# Altium PCB Electronic Load 20251111.PcbDoc (part 2 of 6)
Units mm, origin at the board's own origin, x right, y up, seen from the top; angles counter-clockwise.
Board outline 206 x 70 mm, 6 copper layers (L1, L2, L3, L4, L5, L6), stack 1.609 mm thick; 684 components, 355 nets, 1727 pads, 802 vias.
Unrouted connection lines stored in the file: 10.
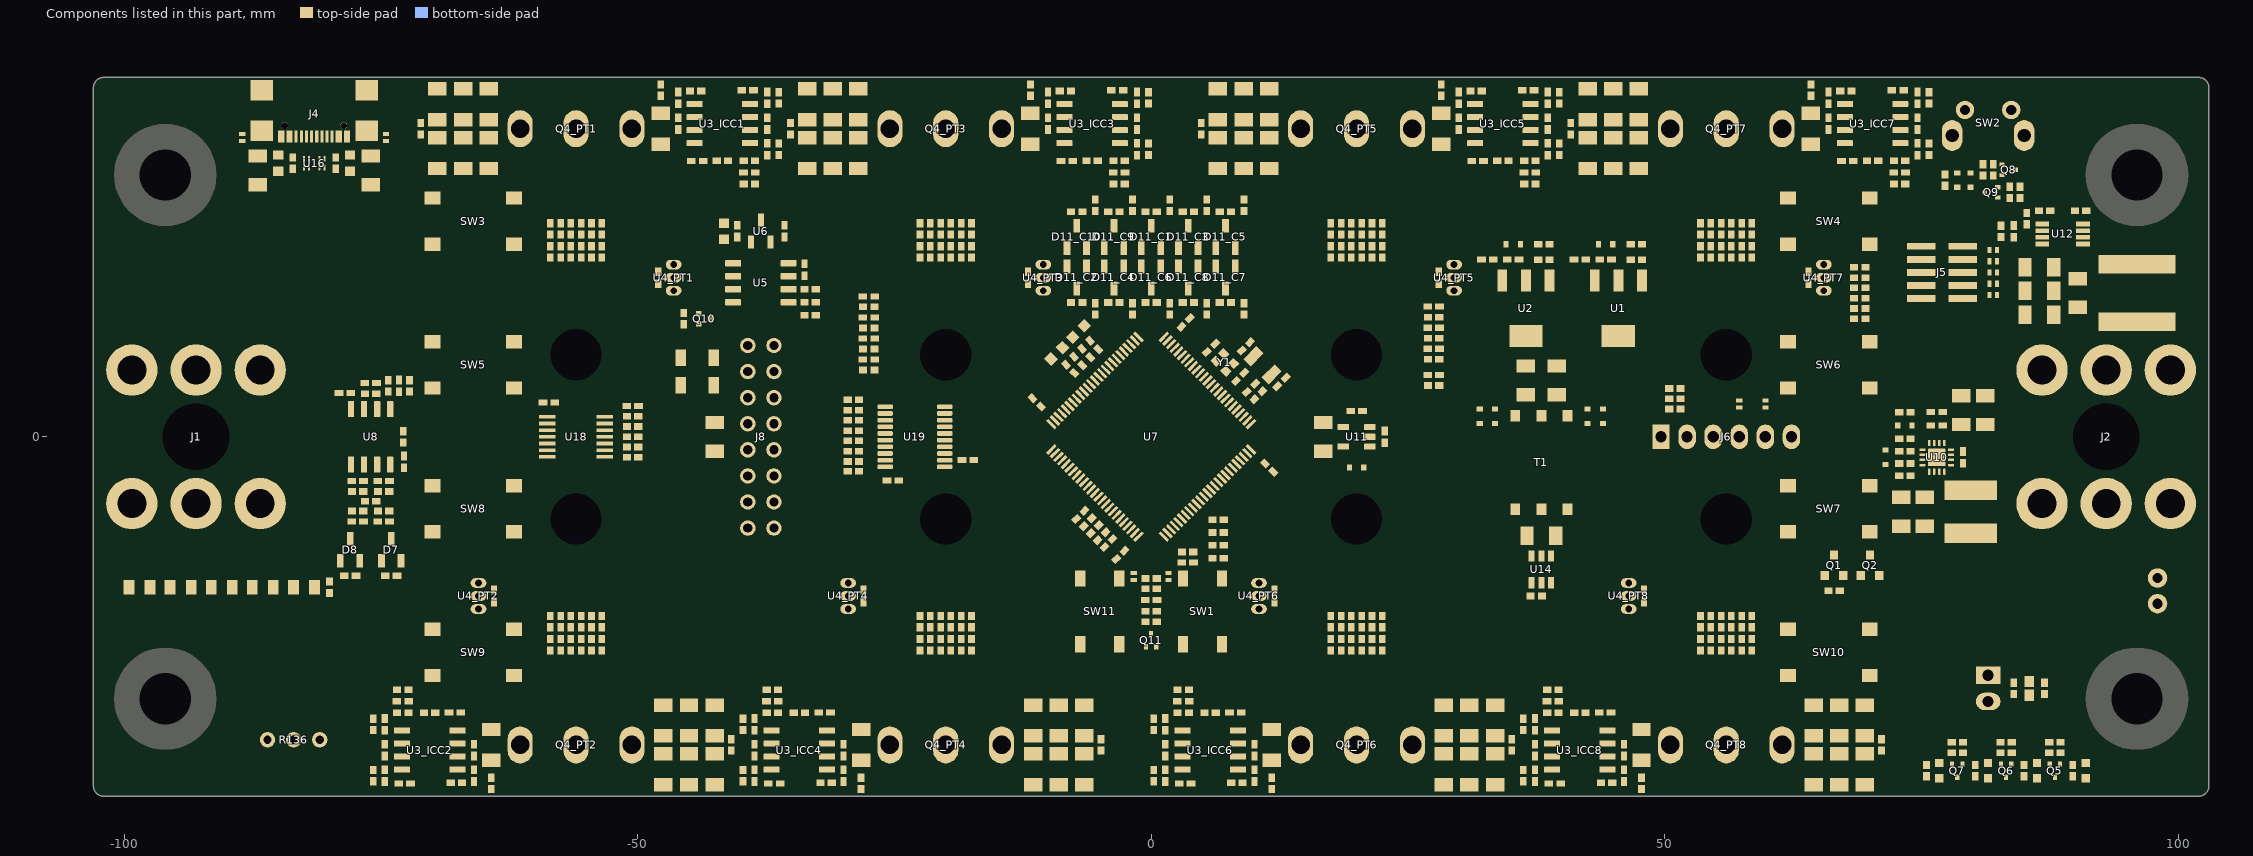
[diagram p6: the components of this part, seen from the top]

## Components (designator, comment, footprint, x,y, rotation, side; value= is the part's Value field where it differs from the comment) (continued)
R27_ICC6 "1k,0.1%,0.063W,0402" RESC1005X04N 21.5,-18 r90 top value=1k (schematic designator R27)
R27_ICC7 "1k,0.1%,0.063W,0402" RESC1005X04N 54.5,18 r270 top value=1k (schematic designator R27)
R27_ICC8 "1k,0.1%,0.063W,0402" RESC1005X04N 57.5,-18 r90 top value=1k (schematic designator R27)
R28_ICC1 "1k,0.1%,0.063W,0402" RESC1005X04N -56.5,20.25 r90 top value=1k (schematic designator R28)
R28_ICC2 "1k,0.1%,0.063W,0402" RESC1005X04N -55.5,-20.25 r270 top value=1k (schematic designator R28)
R28_ICC3 "1k,0.1%,0.063W,0402" RESC1005X04N -20.5,20.25 r90 top value=1k (schematic designator R28)
R28_ICC4 "1k,0.1%,0.063W,0402" RESC1005X04N -19.5,-20.25 r270 top value=1k (schematic designator R28)
R28_ICC5 "1k,0.1%,0.063W,0402" RESC1005X04N 19.5,20.25 r90 top value=1k (schematic designator R28)
R28_ICC6 "1k,0.1%,0.063W,0402" RESC1005X04N 20.5,-20.25 r270 top value=1k (schematic designator R28)
R28_ICC7 "1k,0.1%,0.063W,0402" RESC1005X04N 55.5,20.25 r90 top value=1k (schematic designator R28)
R28_ICC8 "1k,0.1%,0.063W,0402" RESC1005X04N 56.5,-20.25 r270 top value=1k (schematic designator R28)
R29_ICC1 "1k,0.1%,0.063W,0402" RESC1005X04N -56.5,18 r270 top value=1k (schematic designator R29)
R29_ICC2 "1k,0.1%,0.063W,0402" RESC1005X04N -55.5,-18 r90 top value=1k (schematic designator R29)
R29_ICC3 "1k,0.1%,0.063W,0402" RESC1005X04N -20.5,18 r270 top value=1k (schematic designator R29)
R29_ICC4 "1k,0.1%,0.063W,0402" RESC1005X04N -19.5,-18 r90 top value=1k (schematic designator R29)
R29_ICC5 "1k,0.1%,0.063W,0402" RESC1005X04N 19.5,18 r270 top value=1k (schematic designator R29)
R29_ICC6 "1k,0.1%,0.063W,0402" RESC1005X04N 20.5,-18 r90 top value=1k (schematic designator R29)
R29_ICC7 "1k,0.1%,0.063W,0402" RESC1005X04N 55.5,18 r270 top value=1k (schematic designator R29)
R29_ICC8 "1k,0.1%,0.063W,0402" RESC1005X04N 56.5,-18 r90 top value=1k (schematic designator R29)
R30_ICC1 "10k,5%,0.063W,0402" RESC1005X04N -41.75,26.875 r0 top value=10k (schematic designator R30)
R30_ICC2 "10k,5%,0.063W,0402" RESC1005X04N -70.25,-26.875 r180 top value=10k (schematic designator R30)
R30_ICC3 "10k,5%,0.063W,0402" RESC1005X04N -5.75,26.875 r0 top value=10k (schematic designator R30)
R30_ICC4 "10k,5%,0.063W,0402" RESC1005X04N -34.25,-26.875 r180 top value=10k (schematic designator R30)
R30_ICC5 "10k,5%,0.063W,0402" RESC1005X04N 34.25,26.875 r0 top value=10k (schematic designator R30)
R30_ICC6 "10k,5%,0.063W,0402" RESC1005X04N 5.75,-26.875 r180 top value=10k (schematic designator R30)
R30_ICC7 "10k,5%,0.063W,0402" RESC1005X04N 70.25,26.875 r0 top value=10k (schematic designator R30)
R30_ICC8 "10k,5%,0.063W,0402" RESC1005X04N 41.75,-26.875 r180 top value=10k (schematic designator R30)
R31_ICC1 "1k,0.1%,0.063W,0402" RESC1005X04N -54.5,20.25 r90 top value=1k (schematic designator R31)
R31_ICC2 "1k,0.1%,0.063W,0402" RESC1005X04N -57.5,-20.25 r270 top value=1k (schematic designator R31)
R31_ICC3 "1k,0.1%,0.063W,0402" RESC1005X04N -18.5,20.25 r90 top value=1k (schematic designator R31)
R31_ICC4 "1k,0.1%,0.063W,0402" RESC1005X04N -21.5,-20.25 r270 top value=1k (schematic designator R31)
R31_ICC5 "1k,0.1%,0.063W,0402" RESC1005X04N 21.5,20.25 r90 top value=1k (schematic designator R31)
R31_ICC6 "1k,0.1%,0.063W,0402" RESC1005X04N 18.5,-20.25 r270 top value=1k (schematic designator R31)
R31_ICC7 "1k,0.1%,0.063W,0402" RESC1005X04N 57.5,20.25 r90 top value=1k (schematic designator R31)
R31_ICC8 "1k,0.1%,0.063W,0402" RESC1005X04N 54.5,-20.25 r270 top value=1k (schematic designator R31)
R32_ICC1 "1k,0.1%,0.063W,0402" RESC1005X04N -58.5,20.25 r90 top value=1k (schematic designator R32)
R32_ICC2 "1k,0.1%,0.063W,0402" RESC1005X04N -53.5,-20.25 r270 top value=1k (schematic designator R32)
R32_ICC3 "1k,0.1%,0.063W,0402" RESC1005X04N -22.5,20.25 r90 top value=1k (schematic designator R32)
R32_ICC4 "1k,0.1%,0.063W,0402" RESC1005X04N -17.5,-20.25 r270 top value=1k (schematic designator R32)
R32_ICC5 "1k,0.1%,0.063W,0402" RESC1005X04N 17.5,20.25 r90 top value=1k (schematic designator R32)
R32_ICC6 "1k,0.1%,0.063W,0402" RESC1005X04N 22.5,-20.25 r270 top value=1k (schematic designator R32)
R32_ICC7 "1k,0.1%,0.063W,0402" RESC1005X04N 53.5,20.25 r90 top value=1k (schematic designator R32)
R32_ICC8 "1k,0.1%,0.063W,0402" RESC1005X04N 58.5,-20.25 r270 top value=1k (schematic designator R32)
R33_ICC1 "10k,5%,0.063W,0402" RESC1005X04N -44.35,33.675 r180 top value=10k (schematic designator R33)
R33_ICC2 "10k,5%,0.063W,0402" RESC1005X04N -67.65,-33.675 r0 top value=10k (schematic designator R33)
R33_ICC3 "10k,5%,0.063W,0402" RESC1005X04N -8.35,33.675 r180 top value=10k (schematic designator R33)
R33_ICC4 "10k,5%,0.063W,0402" RESC1005X04N -31.65,-33.675 r0 top value=10k (schematic designator R33)
R33_ICC5 "10k,5%,0.063W,0402" RESC1005X04N 31.65,33.675 r180 top value=10k (schematic designator R33)
R33_ICC6 "10k,5%,0.063W,0402" RESC1005X04N 8.35,-33.675 r0 top value=10k (schematic designator R33)
R33_ICC7 "10k,5%,0.063W,0402" RESC1005X04N 67.65,33.675 r180 top value=10k (schematic designator R33)
R33_ICC8 "10k,5%,0.063W,0402" RESC1005X04N 44.35,-33.675 r0 top value=10k (schematic designator R33)
R34_ICC1 "6k81,0.1%,0.063W,0402" RESC1005X04N -36.25,33 r270 top value=6k81 (schematic designator R34)
R34_ICC2 "6k81,0.1%,0.063W,0402" RESC1005X04N -75.75,-33 r90 top value=6k81 (schematic designator R34)
R34_ICC3 "6k81,0.1%,0.063W,0402" RESC1005X04N -0.25,33 r270 top value=6k81 (schematic designator R34)
R34_ICC4 "6k81,0.1%,0.063W,0402" RESC1005X04N -39.75,-33 r90 top value=6k81 (schematic designator R34)
R34_ICC5 "6k81,0.1%,0.063W,0402" RESC1005X04N 39.75,33 r270 top value=6k81 (schematic designator R34)
R34_ICC6 "6k81,0.1%,0.063W,0402" RESC1005X04N 0.25,-33 r90 top value=6k81 (schematic designator R34)
R34_ICC7 "6k81,0.1%,0.063W,0402" RESC1005X04N 75.75,33 r270 top value=6k81 (schematic designator R34)
R34_ICC8 "6k81,0.1%,0.063W,0402" RESC1005X04N 36.25,-33 r90 top value=6k81 (schematic designator R34)
R35_ICC1 "1k,0.1%,0.063W,0402" RESC1005X04N -55.5,18 r270 top value=1k (schematic designator R35)
R35_ICC2 "1k,0.1%,0.063W,0402" RESC1005X04N -56.5,-18 r90 top value=1k (schematic designator R35)
R35_ICC3 "1k,0.1%,0.063W,0402" RESC1005X04N -19.5,18 r270 top value=1k (schematic designator R35)
R35_ICC4 "1k,0.1%,0.063W,0402" RESC1005X04N -20.5,-18 r90 top value=1k (schematic designator R35)
R35_ICC5 "1k,0.1%,0.063W,0402" RESC1005X04N 20.5,18 r270 top value=1k (schematic designator R35)
R35_ICC6 "1k,0.1%,0.063W,0402" RESC1005X04N 19.5,-18 r90 top value=1k (schematic designator R35)
R35_ICC7 "1k,0.1%,0.063W,0402" RESC1005X04N 56.5,18 r270 top value=1k (schematic designator R35)
R35_ICC8 "1k,0.1%,0.063W,0402" RESC1005X04N 55.5,-18 r90 top value=1k (schematic designator R35)
R36_ICC1 "1k,0.1%,0.063W,0402" RESC1005X04N -54.5,18 r270 top value=1k (schematic designator R36)
R36_ICC2 "1k,0.1%,0.063W,0402" RESC1005X04N -57.5,-18 r90 top value=1k (schematic designator R36)
R36_ICC3 "1k,0.1%,0.063W,0402" RESC1005X04N -18.5,18 r270 top value=1k (schematic designator R36)
R36_ICC4 "1k,0.1%,0.063W,0402" RESC1005X04N -21.5,-18 r90 top value=1k (schematic designator R36)
R36_ICC5 "1k,0.1%,0.063W,0402" RESC1005X04N 21.5,18 r270 top value=1k (schematic designator R36)
R36_ICC6 "1k,0.1%,0.063W,0402" RESC1005X04N 18.5,-18 r90 top value=1k (schematic designator R36)
R36_ICC7 "1k,0.1%,0.063W,0402" RESC1005X04N 57.5,18 r270 top value=1k (schematic designator R36)
R36_ICC8 "1k,0.1%,0.063W,0402" RESC1005X04N 54.5,-18 r90 top value=1k (schematic designator R36)
R64_CS1 "0R02,1%,0.33W,1206" RESC3216X06N -64.5,32.375 r270 top value=0.02 (schematic designator R64)
R64_CS2 "0R02,1%,0.33W,1206" RESC3216X06N -42.5,-27.625 r270 top value=0.02 (schematic designator R64)
R64_CS3 "0R02,1%,0.33W,1206" RESC3216X06N -28.5,32.375 r270 top value=0.02 (schematic designator R64)
R64_CS4 "0R02,1%,0.33W,1206" RESC3216X06N -6.5,-27.625 r270 top value=0.02 (schematic designator R64)
R64_CS5 "0R02,1%,0.33W,1206" RESC3216X06N 11.5,32.375 r270 top value=0.02 (schematic designator R64)
R64_CS6 "0R02,1%,0.33W,1206" RESC3216X06N 33.5,-27.625 r270 top value=0.02 (schematic designator R64)
R64_CS7 "0R02,1%,0.33W,1206" RESC3216X06N 47.5,32.375 r270 top value=0.02 (schematic designator R64)
R64_CS8 "0R02,1%,0.33W,1206" RESC3216X06N 69.5,-27.625 r270 top value=0.02 (schematic designator R64)
R67_CS1 "0R02,1%,0.33W,1206" RESC3216X06N -64.5,27.625 r90 top value=0.02 (schematic designator R67)
R67_CS2 "0R02,1%,0.33W,1206" RESC3216X06N -42.5,-32.375 r90 top value=0.02 (schematic designator R67)
R67_CS3 "0R02,1%,0.33W,1206" RESC3216X06N -28.5,27.625 r90 top value=0.02 (schematic designator R67)
R67_CS4 "0R02,1%,0.33W,1206" RESC3216X06N -6.5,-32.375 r90 top value=0.02 (schematic designator R67)
R67_CS5 "0R02,1%,0.33W,1206" RESC3216X06N 11.5,27.625 r90 top value=0.02 (schematic designator R67)
R67_CS6 "0R02,1%,0.33W,1206" RESC3216X06N 33.5,-32.375 r90 top value=0.02 (schematic designator R67)
R67_CS7 "0R02,1%,0.33W,1206" RESC3216X06N 47.5,27.625 r90 top value=0.02 (schematic designator R67)
R67_CS8 "0R02,1%,0.33W,1206" RESC3216X06N 69.5,-32.375 r90 top value=0.02 (schematic designator R67)
R70_CS1 "0R02,1%,0.33W,1206" RESC3216X06N -69.5,27.625 r90 top value=0.02 (schematic designator R70)
R70_CS2 "0R02,1%,0.33W,1206" RESC3216X06N -47.5,-32.375 r90 top value=0.02 (schematic designator R70)
R70_CS3 "0R02,1%,0.33W,1206" RESC3216X06N -33.5,27.625 r90 top value=0.02 (schematic designator R70)
R70_CS4 "0R02,1%,0.33W,1206" RESC3216X06N -11.5,-32.375 r90 top value=0.02 (schematic designator R70)
R70_CS5 "0R02,1%,0.33W,1206" RESC3216X06N 6.5,27.625 r90 top value=0.02 (schematic designator R70)
R70_CS6 "0R02,1%,0.33W,1206" RESC3216X06N 28.5,-32.375 r90 top value=0.02 (schematic designator R70)
R70_CS7 "0R02,1%,0.33W,1206" RESC3216X06N 42.5,27.625 r90 top value=0.02 (schematic designator R70)
R70_CS8 "0R02,1%,0.33W,1206" RESC3216X06N 64.5,-32.375 r90 top value=0.02 (schematic designator R70)
R73_CS1 "0R02,1%,0.33W,1206" RESC3216X06N -67,27.625 r90 top value=0.02 (schematic designator R73)
R73_CS2 "0R02,1%,0.33W,1206" RESC3216X06N -45,-32.375 r90 top value=0.02 (schematic designator R73)
R73_CS3 "0R02,1%,0.33W,1206" RESC3216X06N -31,27.625 r90 top value=0.02 (schematic designator R73)
R73_CS4 "0R02,1%,0.33W,1206" RESC3216X06N -9,-32.375 r90 top value=0.02 (schematic designator R73)
R73_CS5 "0R02,1%,0.33W,1206" RESC3216X06N 9,27.625 r90 top value=0.02 (schematic designator R73)
R73_CS6 "0R02,1%,0.33W,1206" RESC3216X06N 31,-32.375 r90 top value=0.02 (schematic designator R73)
R73_CS7 "0R02,1%,0.33W,1206" RESC3216X06N 45,27.625 r90 top value=0.02 (schematic designator R73)
R73_CS8 "0R02,1%,0.33W,1206" RESC3216X06N 67,-32.375 r90 top value=0.02 (schematic designator R73)
R81_PT1 "0R0,1206" RESC3216X06N -47.75,30 r90 top value=0 (schematic designator R81)
R81_PT2 "0R0,1206" RESC3216X06N -64.25,-30 r270 top value=0 (schematic designator R81)
R81_PT3 "0R0,1206" RESC3216X06N -11.75,30 r90 top value=0 (schematic designator R81)
R81_PT4 "0R0,1206" RESC3216X06N -28.25,-30 r270 top value=0 (schematic designator R81)
R81_PT5 "0R0,1206" RESC3216X06N 28.25,30 r90 top value=0 (schematic designator R81)
R81_PT6 "0R0,1206" RESC3216X06N 11.75,-30 r270 top value=0 (schematic designator R81)
R81_PT7 "0R0,1206" RESC3216X06N 64.25,30 r90 top value=0 (schematic designator R81)
R81_PT8 "0R0,1206" RESC3216X06N 47.75,-30 r270 top value=0 (schematic designator R81)
R82_PT1 "10k,5%,0.063W,0402" RESC1005X04N -47.75,33.75 r270 top value=10k (schematic designator R82)
R82_PT2 "10k,5%,0.063W,0402" RESC1005X04N -64.25,-33.75 r90 top value=10k (schematic designator R82)
R82_PT3 "10k,5%,0.063W,0402" RESC1005X04N -11.75,33.75 r270 top value=10k (schematic designator R82)
R82_PT4 "10k,5%,0.063W,0402" RESC1005X04N -28.25,-33.75 r90 top value=10k (schematic designator R82)
R82_PT5 "10k,5%,0.063W,0402" RESC1005X04N 28.25,33.75 r270 top value=10k (schematic designator R82)
R82_PT6 "10k,5%,0.063W,0402" RESC1005X04N 11.75,-33.75 r90 top value=10k (schematic designator R82)
R82_PT7 "10k,5%,0.063W,0402" RESC1005X04N 64.25,33.75 r270 top value=10k (schematic designator R82)
R82_PT8 "10k,5%,0.063W,0402" RESC1005X04N 47.75,-33.75 r90 top value=10k (schematic designator R82)
R83_PT1 "1k,5%,0.063W,0402" RESC1005X04N -27.5,12.65 r180 top value=1k (schematic designator R83)
R83_PT2 "1k,5%,0.063W,0402" RESC1005X04N -27.5,10.6 r180 top value=1k (schematic designator R83)
R83_PT3 "1k,5%,0.063W,0402" RESC1005X04N -27.5,8.55 r180 top value=1k (schematic designator R83)
R83_PT4 "1k,5%,0.063W,0402" RESC1005X04N -27.5,6.5 r180 top value=1k (schematic designator R83)
R83_PT5 "1k,5%,0.063W,0402" RESC1005X04N 27.5,11.65 r0 top value=1k (schematic designator R83)
R83_PT6 "1k,5%,0.063W,0402" RESC1005X04N 27.5,5 r0 top value=1k (schematic designator R83)
R83_PT7 "1k,5%,0.063W,0402" RESC1005X04N 27.5,9.6 r0 top value=1k (schematic designator R83)
R83_PT8 "1k,5%,0.063W,0402" RESC1005X04N 27.5,7.55 r0 top value=1k (schematic designator R83)
R84 "0R0,0402" RESC1005X04N 10.448,4.048 r45 top value=0
R85 "750R,1%,0.063W,0402" RESC1005X04N 85,-32.5 r270 top
R86 "300R,1%,0.063W,0402" RESC1005X04N 80.25,-32.5 r270 top
R87 "270R,1%,0.063W,0402" RESC1005X04N 75.5,-32.5 r270 top value=270
R88 "10k,5%,0.063W,0402" RESC1005X04N 78.5,-29.75 r0 top value=10k
R89 "10k,5%,0.063W,0402" RESC1005X04N 83.25,-29.75 r0 top value=10k
R90 "10k,5%,0.063W,0402" RESC1005X04N 88,-29.75 r0 top value=10k
R91 "10k,5%,0.063W,0402" RESC1005X04N 88,-30.75 r0 top value=10k
R92 "10k,5%,0.063W,0402" RESC1005X04N 83.25,-30.75 r0 top value=10k
R93 "10k,5%,0.063W,0402" RESC1005X04N 78.5,-30.75 r0 top value=10k
R94 "10k,5%,0.063W,0402" RESC1005X04N 0,-13.8 r180 top value=10k
R95 "10R,1%,0.063W,0402" RESC1005X04N 3.55,-11.225 r0 top value=10
R96 "442k,0.1%,0.125W,0805" RESC2012X07N -98.5,-14.65 r180 top value=442k
R97 "442k,0.1%,0.125W,0805" RESC2012X07N -94.5,-14.65 r180 top value=442k
R98 "442k,0.1%,0.125W,0805" RESC2012X07N -90.5,-14.65 r180 top value=442k
R99 "442k,0.1%,0.125W,0805" RESC2012X07N -86.5,-14.65 r180 top value=442k
R100 "442k,0.1%,0.125W,0805" RESC2012X07N -82.5,-14.65 r180 top value=442k
R101 "10k,0.1%,0.063W,0402" RESC1005X04N -80,-14.65 r270 top value=10k
R103 "1k,0.1%,0.063W,0402" RESC1005X04N -77.27,-5.325 r180 top value=1k
R111_C1 "1k,5%,0.063W,0402" RESC1005X04N 1.81,22.55 r90 top value=1k (schematic designator R111)
R111_C2 "1k,5%,0.063W,0402" RESC1005X04N -5.43,12.45 r270 top value=1k (schematic designator R111)
R111_C3 "1k,5%,0.063W,0402" RESC1005X04N 5.43,22.55 r90 top value=1k (schematic designator R111)
R111_C4 "1k,5%,0.063W,0402" RESC1005X04N -1.81,12.45 r270 top value=1k (schematic designator R111)
R111_C5 "1k,5%,0.063W,0402" RESC1005X04N 9.05,22.55 r90 top value=1k (schematic designator R111)
R111_C6 "1k,5%,0.063W,0402" RESC1005X04N 1.81,12.45 r270 top value=1k (schematic designator R111)
R111_C7 "1k,5%,0.063W,0402" RESC1005X04N 9.05,12.45 r270 top value=1k (schematic designator R111)
R111_C8 "1k,5%,0.063W,0402" RESC1005X04N 5.43,12.45 r270 top value=1k (schematic designator R111)
R111_C9 "1k,5%,0.063W,0402" RESC1005X04N -1.81,22.55 r90 top value=1k (schematic designator R111)
R111_C10 "1k,5%,0.063W,0402" RESC1005X04N -5.43,22.55 r90 top value=1k (schematic designator R111)
R112_C1 "49R9,1%,0.063W,0402" RESC1005X04N 0,21.925 r0 top value=49.9 (schematic designator R112)
R112_C2 "49R9,1%,0.063W,0402" RESC1005X04N -7.24,13.075 r0 top value=49.9 (schematic designator R112)
R112_C3 "49R9,1%,0.063W,0402" RESC1005X04N 3.62,21.925 r0 top value=49.9 (schematic designator R112)
R112_C4 "49R9,1%,0.063W,0402" RESC1005X04N -3.62,13.075 r0 top value=49.9 (schematic designator R112)
R112_C5 "49R9,1%,0.063W,0402" RESC1005X04N 7.24,21.925 r0 top value=49.9 (schematic designator R112)
R112_C6 "49R9,1%,0.063W,0402" RESC1005X04N 0,13.075 r0 top value=49.9 (schematic designator R112)
R112_C7 "49R9,1%,0.063W,0402" RESC1005X04N 7.24,13.075 r0 top value=49.9 (schematic designator R112)
R112_C8 "49R9,1%,0.063W,0402" RESC1005X04N 3.62,13.075 r0 top value=49.9 (schematic designator R112)
R112_C9 "49R9,1%,0.063W,0402" RESC1005X04N -3.62,21.925 r0 top value=49.9 (schematic designator R112)
R112_C10 "49R9,1%,0.063W,0402" RESC1005X04N -7.24,21.925 r0 top value=49.9 (schematic designator R112)
R113 "0R0,0402" RESC1005X04N 73.4,-1.4 r180 top value=0
R114 "4k42,1%,0.063W,0402" RESC1005X04N 84,-24.5 r90 top value=4k42
R115 "13k2,1%,0.063W,0402" RESC1005X04N 73.4,-0.2 r0 top
R116 "0R0,0402" RESC1005X04N 73.4,-3.8 r180 top value=0
R117 "100k,1%,0.063W,0402" RESC1005X04N 77.3,25 r90 top value=100k
R118 "21k5,1%,0.063W,0402" RESC1005X04N 87,-24.5 r270 top value=21k5
R119 "10k,5%,0.063W,0402" RESC1005X04N 84.6,23.8 r270 top value=10k
R120 "10k,5%,0.063W,0402" RESC1005X04N 83.6,23.8 r90 top value=10k
R121 "10k,5%,0.063W,0402" RESC1005X04N 73.4,2.4 r180 top value=10k
R122 "0R0,0402" RESC1005X04N 73.4,-2.6 r0 top value=0
R123 "1k62,1%,0.063W,0402" RESC1005X04N 89.75,-32.5 r270 top value=1k62
R124 "NTC,10k,3380K,0603" RESC_0603 85.5,-24.5 r270 top
R125 "330R,1%,0.063W,0402" RESC1005X04N 47.249,17.25 r180 top value=330
R126 "3k6,1%,0.063W,0402" RESC1005X04N 47.249,18.75 r0 top
R127 "330R,1%,0.063W,0402" RESC1005X04N 38.249,17.25 r180 top value=330
R128 "1k,5%,0.063W,0402" RESC1005X04N 38.249,18.75 r0 top value=1k
R129 "5k11,1%,0.063W,0402" RESC1005X04N -83.6,26.65 r90 top value=5k11
R130 "5k11,1%,0.063W,0402" RESC1005X04N -79.4,26.65 r90 top value=5k11
R131 "49R9,1%,0.063W,0402" RESC1005X04N -50.5,2 r180 top value=49.9
R132 "100R,1%,0.25W,1206" SEI_PKG_RMCF1206 -44.2,7.7 r180 top value=100R
R133 "49R9,1%,0.063W,0402" RESC1005X04N -50.5,1 r180 top value=49.9
R134 "49R9,1%,0.063W,0402" RESC1005X04N -50.5,0 r180 top value=49.9
R135 "49R9,1%,0.063W,0402" RESC1005X04N -50.5,-1 r180 top value=49.9
R136 "10k,25T" BOURNS_3296W -83.5,-29.5 r180 top
R137 "49R9,1%,0.063W,0402" RESC1005X04N -29,-3.35 r0 top value=49.9
R139 "49R9,1%,0.063W,0402" RESC1005X04N -29,-2.4 r0 top value=49.9
R141 "49R9,1%,0.063W,0402" RESC1005X04N -29,-1.4 r0 top value=49.9
R143 "49R9,1%,0.063W,0402" RESC1005X04N -29,-0.4 r0 top value=49.9
R145 "49R9,1%,0.063W,0402" RESC1005X04N -29,0.6 r0 top value=49.9
R147 "49R9,1%,0.063W,0402" RESC1005X04N -29,1.6 r0 top value=49.9
R149 "49R9,1%,0.063W,0402" RESC1005X04N -29,2.6 r0 top value=49.9
R151 "49R9,1%,0.063W,0402" RESC1005X04N -29,3.6 r0 top value=49.9
R153 "10k,5%,0.063W,0402" RESC1005X04N -45.5,11.5 r90 top value=10k
R154 "10k,5%,0.063W,0402" RESC1005X04N -4.826,-9.67 r225 top value=10k
R155 "10k,5%,0.063W,0402" RESC1005X04N -5.498,-8.998 r225 top value=10k
R156 "10k,5%,0.063W,0402" RESC1005X04N -6.17,-8.326 r225 top value=10k
R157 "10k,5%,0.063W,0402" RESC1005X04N -4.154,-10.341 r225 top value=10k
R158 "10k,5%,0.063W,0402" RESC1005X04N 6.525,-11.825 r0 top value=10k
R159 "10k,5%,0.063W,0402" RESC1005X04N 6.525,-10.575 r0 top value=10k
R160 "10k,5%,0.063W,0402" RESC1005X04N 6.525,-9.325 r0 top value=10k
R161 "10k,5%,0.063W,0402" RESC1005X04N 6.525,-8.075 r0 top value=10k
R162 "10k,5%,0.063W,0402" RESC1005X04N 0,-18 r0 top value=10k
R163 "10k,5%,0.063W,0402" RESC1005X04N 0,-17 r180 top value=10k
R164 "10R,1%,0.063W,0402" RESC1005X04N 0,-14.8 r0 top value=10
R165 "10k,5%,0.063W,0402" RESC1005X04N -33.2,11.825 r180 top value=10k
R166 "10k,5%,0.063W,0402" RESC1005X04N -33.2,13.095 r0 top value=10k
R167 "10k,5%,0.063W,0402" RESC1005X04N -33.2,14.365 r0 top value=10k
R168 "10R,1%,0.063W,0402" RESC1005X04N 69,16.5 r0 top value=10
R169 "10R,1%,0.063W,0402" RESC1005X04N 69,15.5 r0 top value=10
R170 "10R,1%,0.063W,0402" RESC1005X04N 69,14.5 r0 top value=10
R171 "10R,1%,0.063W,0402" RESC1005X04N 69,12.5 r0 top value=10
R172 "0R0,0402" RESC1005X04N 69,13.5 r180 top value=0
R173 "10R,1%,0.063W,0402" RESC1005X04N 69,11.5 r0 top value=10
R174 "10R,1%,0.063W,0402" RESC1005X04N 51,4.7 r180 top value=10
R175 "10R,1%,0.063W,0402" RESC1005X04N 51,3.7 r180 top value=10
R176 "100k,1%,0.063W,0402" RESC1005X04N 82,26 r90 top value=100k
R177 "750k,1%,0.063W,0402" RESC1005X04N 82.75,20 r270 top
R178 "100k,1%,0.063W,0402" RESC1005X04N 90.5,22 r180 top value=100k
R179 "100k,1%,0.063W,0402" RESC1005X04N 85.25,21.25 r270 top value=100k
R180 "Omit" RESC1005X04N 87,22 r0 top
R181 "100k,1%,0.063W,0402" RESC1005X04N 81,26 r270 top value=100k
R182 "0R0,0402" RESC1005X04N 51,2.7 r180 top value=0
R183 "10k,5%,0.063W,0402" RESC1005X04N -50.5,-2 r180 top value=10k
R184 "10k,5%,0.063W,0402" RESC1005X04N 37.5,-15.5 r180 top value=10k
R185 "100R,1%,0.25W,1206" SEI_PKG_RMCF1206 -44.2,5 r180 top value=100R
SW1 "PTS525SM15SMTR2 LFS" "C&K_PTS525SM15SMTR2 LFS" 5,-17 r270 top
SW2 "1825027-6" TE_1825027-6 81.5,31.83 r180 top locked
SW3 "PTS645SK43SMTR92 LFS" "C&K_PTS645SK43SMTR92 LFS" -66,21 r180 top locked
SW4 "PTS645SK43SMTR92 LFS" "C&K_PTS645SK43SMTR92 LFS" 66,21 r180 top locked
SW5 "PTS645SK43SMTR92 LFS" "C&K_PTS645SK43SMTR92 LFS" -66,7 r180 top locked
SW6 "PTS645SK43SMTR92 LFS" "C&K_PTS645SK43SMTR92 LFS" 66,7 r180 top locked
SW7 "PTS645SK43SMTR92 LFS" "C&K_PTS645SK43SMTR92 LFS" 66,-7 r180 top locked